# KiCad board pmic_panel.kicad_pcb (continued)
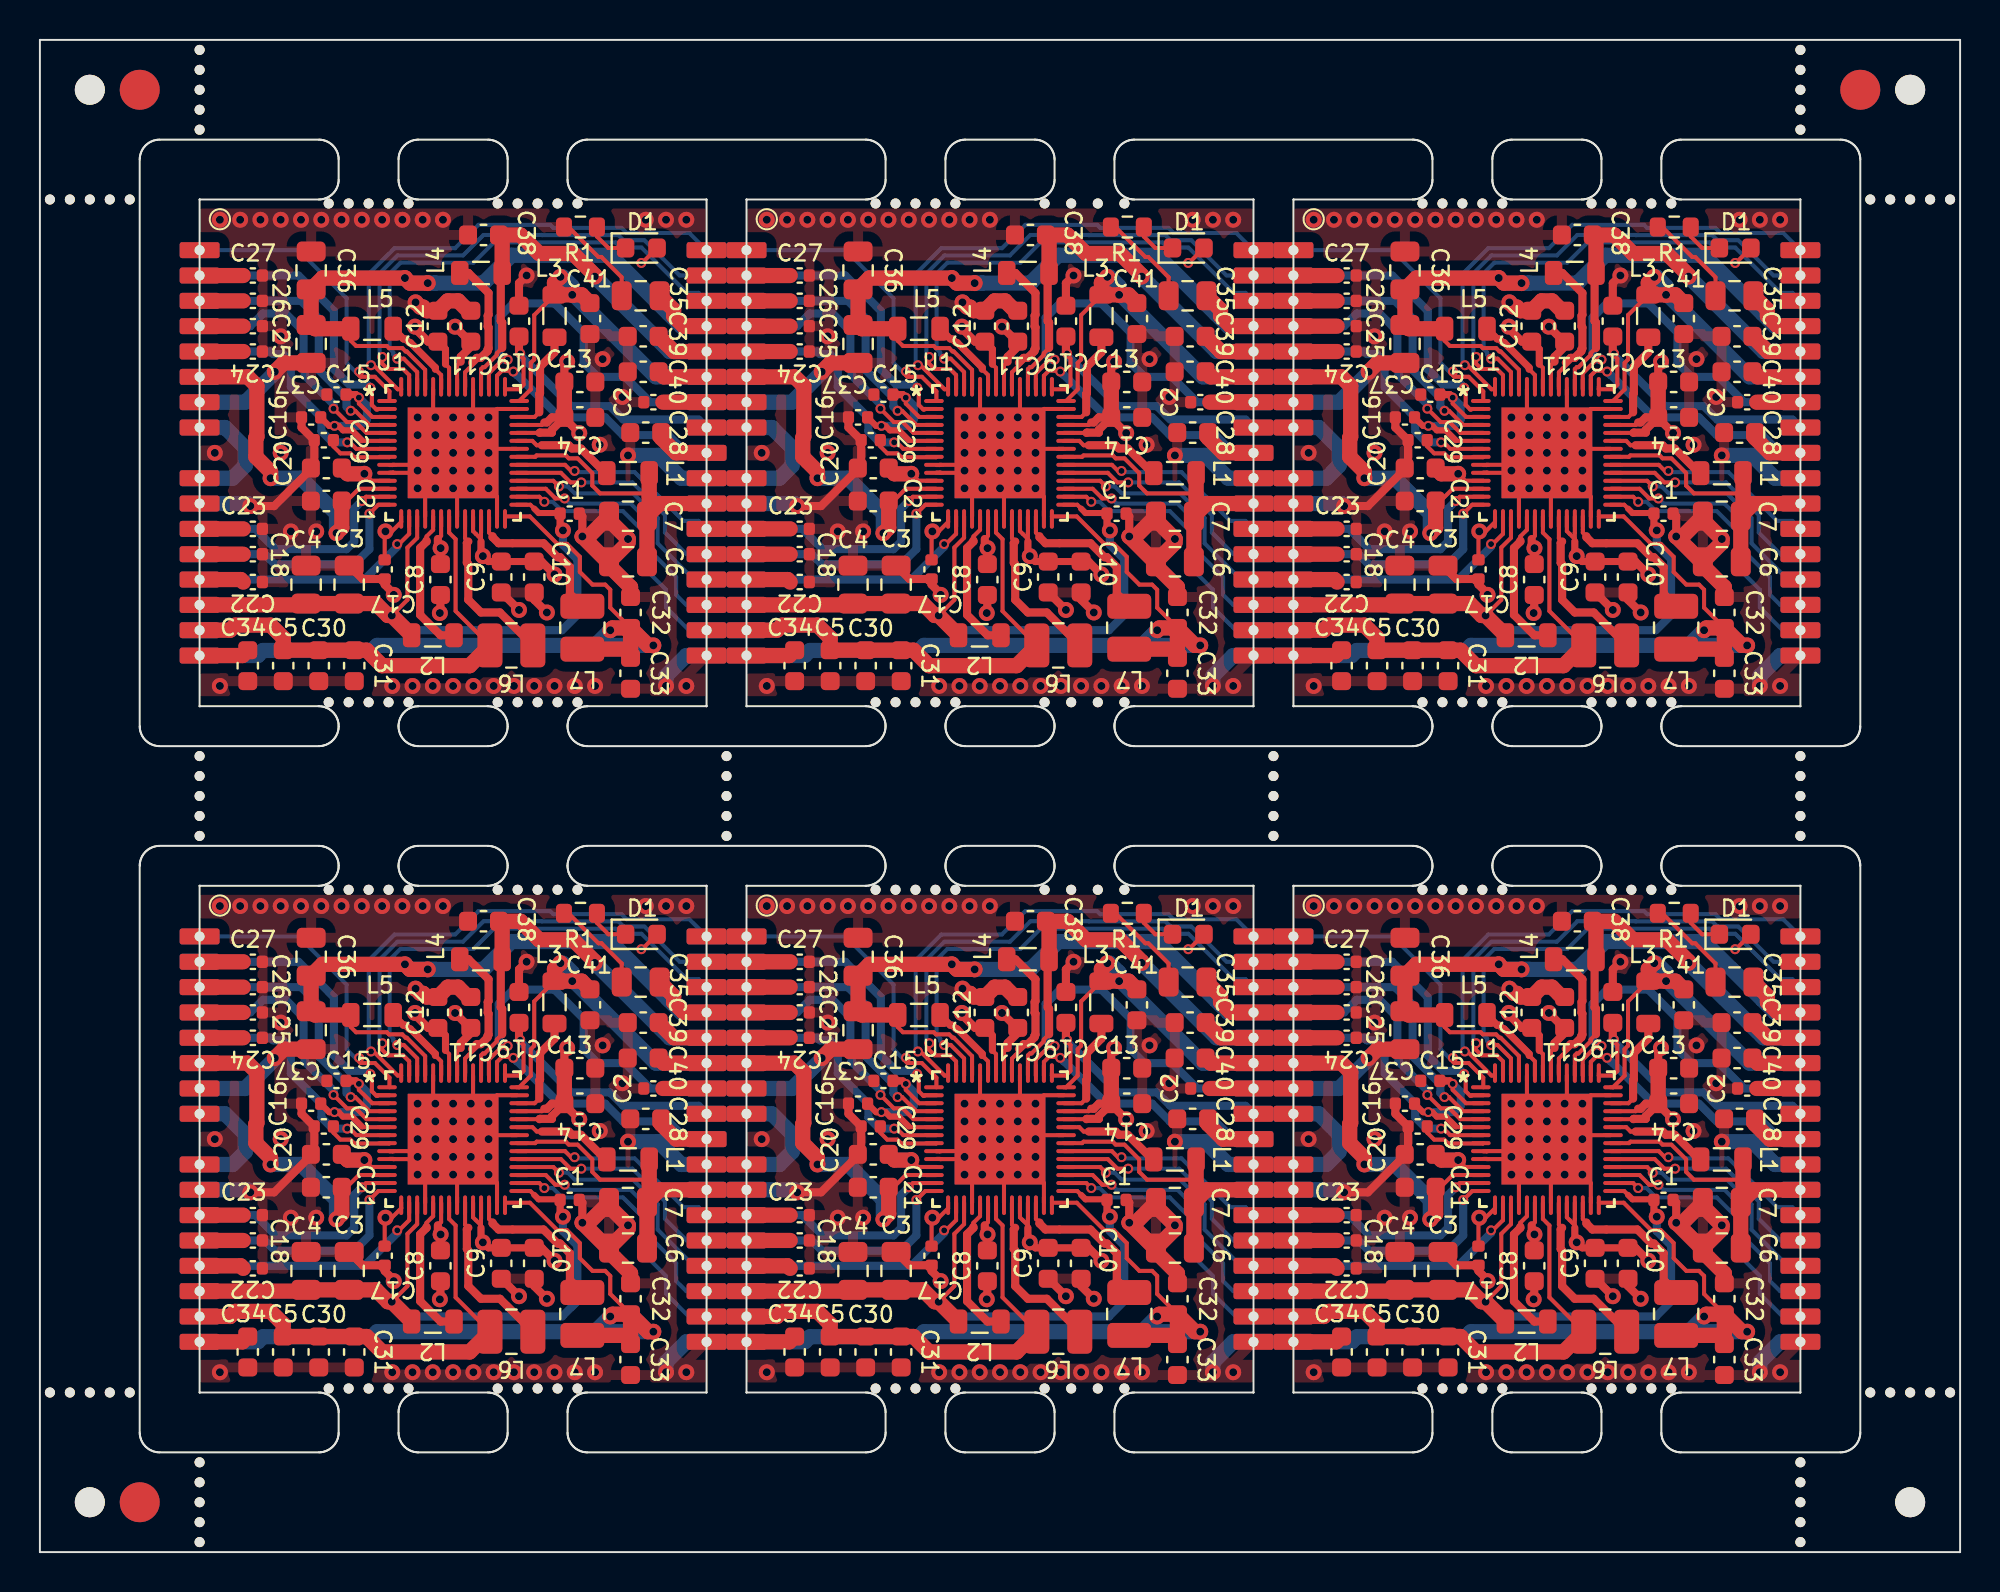
[diagram p0: board, top side]
## Routing (per net, layer and track width the routed paths; a pad name or vN(x,y) marks a point on that pad's centre or on a via; arc(x,y) is an arc through that point) (continued)
Board_0-VIN: length 57.7
  Top w0.203: 21.7,51.91 21.7,51.18 22.1,50.78 22.1,50.65 22.1,51.1 22.1,51.1 22.1,51.91 ; 20.9,58.29 20.9,59.49 21.08,59.67 ; v2(15.98,57.87) 15.98,57.57 16.65,56.9 17.51,56.9 ; 23.89,56.1 25.03,56.1 ; C17#3.1 17.27,51.12 v1(17.31,51.16) 17.63,51.16 18.1,51.63 18.1,51.91 ; 17.51,55.7 16.16,55.7 ; 25.27,56.62 25.15,56.5 23.89,56.5 ; 17.51,53.7 16.6,53.7 v1(16.25,54.05) ; 19.94,50.78 20.1,50.94 20.1,51.91 ; 20.5,58.29 20.5,59.36 20.32,59.54
  Top w0.305: v2(14.76,56.45) 14.96,56.45 14.96,56.45 ; 16.13,55.73 15.63,56.23 15.18,56.23 14.96,56.45 ; 14.96,56.45 14.5,56.45 C16#6.1
  Top w0.356: C12#6.1 20.32,60.29 20.32,59.54 ; C15#5.1 15.83,58.02 v2(15.98,57.87) ; 22.1,50.65 22.1,50.02 v1(22.19,49.92) 22.46,49.65 C9#2.1 C10#2.1
  Top w0.406: C14#2.1 25.65,56.26 25.65,56.12 25.05,56.12 25.03,56.1 ; C14#2.1 26.27,56.84 v1(27.02,56.09) ; C14#2.1 25.65,56.88 25.4,56.62 25.27,56.62 ; C12#6.1 19.45,60.67 18.79,61.33 v1(18.79,61.43) ; 21.84,60.67 21.08,59.91 21.08,59.67 ; 19.94,50.78 19.94,50.46 v1(20.08,50.32) 20.06,50.31 C8#2.1 ; C10#2.1 25.13,49.65 v1(25.78,49) ; v1(20.8,61.42) 21.55,60.67 C11#2.1 ; C13.1 26.27,59.53 v1(26.41,59.67)
  Top w0.762: C20#5.1 15.41,54.05 v1(16.25,54.05) ; C14#2.1 C13.1
  In1.Cu w0.762: U2#2.8 10.79,56.37 11.31,55.85 ; 11.31,55.85 11.11,55.85 10.28,55.02 10.28,54.52 9.59,53.83 U2#2.9 ; 11.31,55.85 v1(12.06,55.1)
  Bottom w0.406: v2(15.98,57.87) 16.38,57.47 16.38,56.78 16.06,56.45 v2(14.76,56.45)
  Bottom w0.762: U2#2.9 9.65,53.83 10.29,54.46 10.29,55.35 9.27,56.37 U2#2.8
Board_0-VOUT1: length 21.2
  Top w0.203: L3.2 24.76,62 24.76,59.78 24.59,59.61 24.59,58.28 U1#6.42 23.89,57.7
  Top w0.762: v1(26.08,63.92) 25.78,63.62 L3.2 27.14,63.02 C41#2.1 ; C40#5.1 31.25,58.91 U2#2.28
  Bottom w0.762: 26.75,63.02 30.86,58.91 U2#2.28 ; v1(26.67,63.02) 26.67,63.45 26.2,63.92 v1(26.08,63.92)
Board_0-VOUT2: length 42.6
  Top w0.203: C32.1 28.57,47.34 28.57,48.24 28.32,48.5 27.69,48.5 27.05,49.13 27.05,49.89 26.4,50.54 25.92,50.54 24.55,51.91 23.3,51.91
  Top w0.762: v1(30.73,45.45) 30.47,45.45 C32.1 ; C32.1 29.59,45.32 ; C32.1 28.69,46.32 v1(28.57,46.21) ; 29.59,45.32 C33#5.1 ; 29.59,45.32 29.53,45.26 L7.1 ; C34.1 10.15,44.94 U2#2.16
  Bottom w0.762: 27.81,45.45 v1(28.57,46.21) ; 27.81,45.45 v1(30.73,45.45) ; 27.81,45.45 16.89,45.45 16.64,45.19 11.17,45.19 10.92,44.94 U2#2.16
Board_0-VOUT3: length 23.6
  Top w0.203: L6#5.1 20.83,47.17 20.83,50.77 20.5,51.1 20.5,51.91
  Top w0.762: U2#2.15 9.52,46.21 9.78,46.46 11.56,46.46 12.19,45.83 C5.1 C30#2.1 C31#3.1 16.37,45.21 17.14,44.43 21.53,44.43 L6#5.1
Board_0-VOUT4: length 52.2
  Top w0.203: 24.76,52.31 24.57,52.5 23.89,52.5 ; D1.2 30.17,64.62 v2(30.13,64.62) ; v1(17.63,46.95) 18.41,47.73 18.41,50.35 18.9,50.84 18.9,51.91
  Top w0.305: C1#5.1 26.03,52.08 24.99,52.08 24.76,52.31
  Top w0.356: v1(26.2,51.21) 26.06,51.35 C1#5.1
  Top w0.762: L2.1 v1(17.63,46.95) 17.43,46.95 16.83,47.55 C3#5.1 C4.1 13.27,47.48 U2#2.14
  In1.Cu w0.203: v2(30.13,64.62) 30.13,64.12 30.73,63.52 30.73,53.87 28.98,52.12 27.13,52.12 26.22,51.21 v1(26.2,51.21)
  Bottom w0.406: v1(26.2,51.21) 26.2,50.49 26.92,49.77 26.92,46.97 26.16,46.21 18.37,46.21 v1(17.63,46.95)
Board_0-VOUT5: length 15.6
  Top w0.203: 30.53,52.94 30.4,53.07 28.07,53.07 27.67,53.46 27.67,54.09 26.94,54.82 26.5,54.82 26.35,54.97 24.89,54.97 24.81,54.9 23.89,54.9
  Top w0.762: C7#6.1 31.05,52.56 U2#2.23 ; C7#6.1 30.53,52.04 L1.2 ; C7#6.1 C6#3.1
Board_0-VOUT6: length 23.9
  Top w0.203: 22.1,58.29 22.1,59.3 22.2,59.4 22.28,59.4 22.89,60.01 22.89,60.09 23.16,60.36
  Top w0.406: 23.16,60.36 23.16,61.63 23.09,61.7 23.09,64.05 L4#5.2
  Top w0.762: C39#6.1 31.76,60.18 U2#2.29 ; v1(27.8,63.94) 27.8,64.01 26.71,65.1 25.01,65.1 24.08,66.02 C38.1 23.16,65.86 L4#5.2
  Bottom w0.762: U2#2.29 31.55,60.18 v1(27.8,63.94)
Board_0-VOUT7: length 36.8
  Top w0.203: 19.3,58.29 19.3,59.26 18.38,60.18 18.32,60.18 18.16,60.35 17.49,60.35 17.38,60.46 15.84,60.46 15.57,60.72 L5#3.2
  Top w0.762: v1(19.43,63.61) 18.54,63.61 v1(18.29,63.86) 14.16,63.86 C36#3.1 C37#3.1 13.78,61.32 L5#3.2 ; C35#4.1 31.75,62.27 31.75,61.96 32.26,61.45 U2#2.30
  Bottom w0.762: 19.81,63.61 18.54,63.61 v1(18.29,63.86) ; 19.81,63.61 22.22,63.61 23.62,65.01 28.57,65.01 32.13,61.45 U2#2.30 ; 19.81,63.61 v1(19.43,63.61)
Board_0-VREFDDR: length 20.3
  Top w0.203: v2(23.43,59.77) 23.18,59.77 22.49,59.08 22.49,58.29
  Top w0.762: U2#2.27 C2.1
  Bottom w0.406: U2#2.27 30.58,57.64 29.31,58.91 27.94,58.91 27.24,59.61 27.24,61.13 25.78,62.59 23.7,62.59 22.99,61.87 22.99,60.05 23.27,59.77 v2(23.43,59.77)
Board_0-WAKEUPN: length 13.8
  Top w0.203: 23.89,52.9 25.02,52.9 v2(25.27,52.65)
  Bottom w0.203: U2#2.18 32.51,46.21 31.37,47.35 31.37,48.24 30.22,49.38 30.22,51.16 29.21,52.18 26.16,52.18 25.69,52.65 v2(25.27,52.65)
Board_1-GND: length 63.2
  Top w0.203: 44.91,54.49 45.08,54.49 45.09,54.5 46.03,54.5 v1(46.32,54.21) 46.21,54.1 45.1,54.1 45.09,54.11 44.91,54.11 ; 49.1,58.29 49.1,56.99 v1(48.99,56.88) ; v1(49.88,55.1) 50.08,55.3 51.29,55.3 ; 51.29,57.3 50.3,57.3 v1(49.88,56.88) ; v1(46.32,53.32) 46.7,52.94 46.7,51.91 ; 47.1,58.29 47.1,56.99 v1(47.21,56.88) ; R1.2 53.88,66.42 55.38,64.92 55.53,64.92 56.55,63.9 C35#2.2 ; v1(49.88,53.32) 50.3,52.9 50.3,51.91 ; v1(48.1,53.32) 48.3,53.12 48.3,51.91
  Top w0.406: C1#3.2 54.45,52.05 54.58,51.92 v1(54.58,50.91) ; C9#5.2 50.53,48.1 v1(51.4,47.23) ; v1(37.94,52.43) 39.13,52.43 40.97,54.27 C20#4.2 41.14,54.51 C29#4.2 40.51,56.37 C16#3.2 ; v1(52.8,47.1) 52.16,47.73 C10#3.2 ; v1(45.13,47.98) 45.13,48.04 44.67,48.5 C17.2 43.56,48.78 C3#4.2 ; C8#6.2 47.47,47.1 v1(47.44,47.07) ; C19.2 51.4,63.61 v1(51.78,63.99)
  Top w0.762: 55.91,49.64 55.91,49.45 56.99,48.37 C32#3.2 ; 55.91,49.64 56.86,50.59 v1(56.86,50.78) 55.91,51.73 55.91,51.92 54.9,50.91 v1(54.58,50.91) 55.85,49.64 55.91,49.64 ; v1(46.22,62.64) 46.46,62.41 46.6,62.41 46.78,62.22 C12#5.2 47.83,62.72 48.35,62.72 48.85,62.22 C11#5.2 ; v1(39.17,59.16) 39.62,59.61 C37#5.2
  Bottom w0.762: U2#5.7 37.69,57.64 39.17,59.12 v1(39.17,59.16) ; v1(56.86,54.97) 58.39,54.97 59.53,53.83 U2#5.24 ; U2#5.10 37.81,52.56 v1(37.94,52.43) ; U2#5.17 59.78,44.94 58.77,43.92 v1(58.77,43.42)
  vias: v1(36.16,55.1) v1(36.42,66.78) v1(36.42,43.42) v1(37.43,66.78) v1(38.45,66.78) v1(39.46,66.78) v1(39.46,60.94) v1(39.97,51.16) v1(40.48,66.78) v1(41.24,51.16) v1(41.5,66.78) v1(42.51,66.78) v1(43.53,66.78) v1(44.54,66.78) v1(45.05,43.42) v1(45.56,66.78) v1(46.07,43.42) v1(46.32,56.88) v1(46.32,55.99) v1(46.32,55.1) v1(46.58,66.78) v1(47.08,43.42) v1(47.21,55.99) v1(47.21,55.1) v1(47.21,54.21) v1(47.21,53.32) v1(47.59,66.78) v1(48.1,56.88) v1(48.1,55.99) v1(48.1,55.1) v1(48.1,54.21) v1(48.1,43.42) v1(48.99,55.99) v1(48.99,55.1) v1(48.99,54.21) v1(48.99,53.32) v1(49.12,43.42) v1(49.88,55.99) v1(49.88,54.21) v1(50.13,43.42) v1(51.15,43.42) v1(52.16,43.42) v1(53.18,43.42) v1(54.2,43.42) v1(55.21,43.42) v1(55.45,55.51) v1(55.59,59.8) v1(56.58,57.9) v1(57.75,66.78) v1(58.77,66.78) v1(59.78,66.78) v1(59.78,43.42)
Board_1-INTLDO: length 3.3
  Top w0.203: C29#4.1 42.1,55.43 42.45,55.08 42.96,55.08 43.15,54.88 44.9,54.88 44.91,54.89
Board_1-INTN: length 12.3
  Top w0.203: v2(53.4,53.42) 53.12,53.7 51.29,53.7
  Bottom w0.203: v2(53.4,53.42) 53.85,53.42 54.2,53.07 57.12,53.07 58.35,51.83 58.35,50.56 60.16,48.75 U2#5.20
Board_1-LDO1OUT: length 14.2
  Top w0.203: 44.91,52.5 44.36,52.5 v2(43.91,52.05)
  Top w0.762: U2#5.12 C18#5.1
  Bottom w0.406: v2(43.91,52.05) 43.91,50.27 43.15,49.51 39.17,49.51 38.66,50.02 U2#5.12
Board_1-LDO2OUT: length 14.6
  Top w0.203: 45.9,51.91 45.9,51.04 45.39,50.53 v2(45.3,50.53)
  Top w0.762: U2#5.13 37.46,48.75 C22.1
  Bottom w0.406: v2(45.3,50.53) 45.3,50.4 43.66,48.75 U2#5.13
Board_1-LDO3IN: length 14.6
  Top w0.203: v2(51.46,60.08) 51.46,59.99 51.63,59.83 51.63,58.52 51.4,58.29 50.7,58.29 U1#2.43
  Top w0.406: v2(51.46,60.08) 51.4,60.14 51.4,60.93
  Bottom w0.406: U2#5.26 60.4,56.77 56.63,56.77 55.95,57.44 54.01,57.44 51.46,59.99 v2(51.46,60.08)
Board_1-LDO3OUT: length 15.8
  Top w0.203: v2(51.12,59.18) 51.07,59.22 50.55,59.22 50.3,58.97 50.3,58.29
  Top w0.762: U2#5.25 59.28,55.1 58.53,55.85 C28#4.1
  Bottom w0.406: v2(51.12,59.18) 51.29,59 51.31,59 53.43,56.88 55.72,56.88 56.61,55.99 58.89,55.99 59.78,55.1 U2#5.25
Board_1-LDO4OUT: length 14.2
  Top w0.203: 44.91,52.9 43.74,52.9 v2(43.53,52.69)
  Top w0.762: U2#5.11 C23#3.1
  Bottom w0.406: v2(43.53,52.69) 43.15,52.31 43.15,50.65 42.77,50.27 39.21,50.27 38.19,51.29 U2#5.11
Board_1-LDO5OUT: length 14.9
  Top w0.203: v2(42.8,55.63) 42.93,55.63 43.25,55.3 44.91,55.3
  Top w0.762: U2#5.5 C24#4.1
  Bottom w0.406: v2(42.8,55.63) 42.06,55.63 41.5,56.18 41.5,56.87 39.97,58.4 39.97,59.67 39.59,60.05 39.08,60.05 38.96,60.18 U2#5.5
Board_1-LDO6OUT: length 15.8
  Top w0.203: 44.91,56.1 43.76,56.1 43.22,56.64 42.78,56.64 v2(42.11,57.32)
  Top w0.762: U2#5.4 C25#3.1
  Bottom w0.406: U2#5.4 37.94,61.45 38.57,62.08 39.72,62.08 40.61,61.2 40.61,59.58 40.67,59.53 40.67,58.98 42.11,57.53 v2(42.11,57.32)
Board_1-LDO7OUT: length 16
  Top w0.203: 44.91,56.5 43.9,56.5 43.2,57.21 v2(42.97,57.21)
  Top w0.762: U2#5.3 C26#6.1
  Bottom w0.406: U2#5.3 40.48,62.72 41.37,61.83 41.37,59.25 42.76,57.86 42.76,57.42 v2(42.97,57.21)
Board_1-LDO8OUT: length 16.7
  Top w0.203: 44.91,57.3 44.34,57.3 44.31,57.28 44.26,57.28 44.03,57.5 44.03,58.29 v2(43.95,58.36)
  Top w0.762: U2#5.2 C27#6.1
  Bottom w0.406: v2(43.95,58.36) 43.79,58.52 42.9,58.52 42.13,59.29 42.13,62.21 40.35,63.99 U2#5.2
Board_1-Net-(D1-K): length 2.2
  Top w0.203: R1.1 55.31,65.94 55.88,65.37 D1#6.1
Board_1-Net-(U1-VLX1): length 5.3
  Top w0.203: 52.42,57.13 52.19,56.9 51.29,56.9
  Top w0.406: 52.42,57.13 52.42,58.05 52.46,58.09 52.46,59.42 53.18,60.14 L3#2.1
Board_1-Net-(U1-VLX2): length 7.8
  Top w0.203: 50.08,50.92 49.9,51.1 49.9,51.91
  Top w0.406: 50.08,50.92 50.08,50.87 50.38,50.57 52.63,50.57 53.33,49.87 53.46,49.87 53.95,49.38 53.95,48.04 L7#3.2
Board_1-Net-(U1-VLX3): length 8.5
  Top w0.203: 48.86,50.65 48.7,50.82 48.7,51.91
  Top w0.406: L6#2.2 50.44,47.1 49.5,47.1 48.86,47.73 48.86,49.52 48.79,49.59 48.79,50.58 48.86,50.65
Board_1-Net-(U1-VLX4): length 7.3
  Top w0.203: 46.77,50.71 46.77,50.91 47.1,51.24 47.1,51.91
  Top w0.406: L2#6.2 47.47,45.96 46.45,46.98 46.45,50.33 46.77,50.65 46.77,50.71
Board_1-Net-(U1-VLX5): length 5.2
  Top w0.203: 52.54,55.48 52.29,55.48 52.07,55.7 51.29,55.7
  Top w0.406: L1#5.1 55.73,54.08 54.5,55.32 54.06,55.32 53.9,55.48 52.54,55.48
Board_1-Net-(U1-VLX6): length 7.8
  Top w0.203: U1#2.48 48.7,59.14 49.03,59.47 49.03,59.62 ; 48.7,58.29 48.7,58.88
  Top w0.406: 49.05,59.62 49.29,59.86 49.49,59.86 49.83,60.2 49.83,60.29 49.88,60.33 49.88,61.39 49.83,61.43 49.83,61.97 49.88,62.02 49.88,63.11 48.87,64.12 L4#6.1
Board_1-Net-(U1-VLX7): length 4.1
  Top w0.203: 47.21,59.29 47.5,59 47.5,58.29
  Top w0.356: L5#5.1 45.61,60.81 45.72,60.81 45.9,60.62 45.96,60.62 47.21,59.37 47.21,59.29
Board_1-PONKEYN: length 15
  Top w0.203: v2(43.39,59.18) 43.39,58.98 43.46,58.91 44.18,58.91 44.91,58.18 44.91,57.7
  Bottom w0.203: v2(43.39,59.18) 43.34,59.13 43.25,59.13 42.77,59.61 42.77,62.85 40.35,65.26 U2#5.1
Board_1-PWRCTRL1: length 25.1
  Top w0.203: 45.5,58.29 45.32,58.29 44.14,59.46 44.02,59.46 v2(43.99,59.49)
  Bottom w0.203: v2(43.99,59.49) 43.91,59.49 43.88,59.53 43.88,64.07 45.16,65.36 48.2,65.36 49.37,66.53 52.97,66.53 53.12,66.38 56.54,66.38 56.8,66.12 59.94,66.12 U2#5.33
Board_1-PWRCTRL2: length 25.1
  Top w0.203: v2(44.55,59.91) 44.53,59.91 44.45,59.82 44.54,59.72 44.54,59.58 44.82,59.3 45.6,59.3 45.9,59 45.9,58.29
  Bottom w0.203: v2(44.55,59.91) 44.43,59.91 44.42,59.92 44.42,64.1 45.31,65 48.6,65 49.62,66.02 52.54,66.02 52.56,66.01 56.39,66.01 56.64,65.76 57.69,65.76 59.45,63.99 U2#5.32
Board_1-PWRCTRL3: length 24.3
  Top w0.203: 46.3,58.29 46.3,59.15 45.63,59.82 v2(45.31,59.82)
  Bottom w0.203: U2#5.31 60.4,63.12 59.81,63.12 57.54,65.39 56.49,65.39 56.24,65.65 50.14,65.65 49.12,64.63 45.46,64.63 44.92,64.09 44.92,60.32 45.11,60.13 45.11,60.02 v2(45.31,59.82)
Board_1-RSTN: length 13.3
  Top w0.203: 51.29,53.3 52.74,53.3 53.23,52.81 v2(53.69,52.81)
  Bottom w0.203: U2#5.19 59.78,47.48 59.28,47.99 59.28,48.88 57.99,50.16 57.99,51.56 56.99,52.56 53.94,52.56 v2(53.69,52.81)
Board_1-SCL: length 11.7
  Top w0.203: v2(54.52,53.62) 53.98,53.62 53.5,54.1 51.29,54.1
  Bottom w0.203: v2(54.52,53.62) 57.08,53.62 58.71,51.98 58.71,51.11 59.8,50.02 U2#5.21
Board_1-SDA: length 10.8
  Top w0.203: 51.29,54.5 53.71,54.5 54.01,54.19 v2(54.19,54.19)
  Bottom w0.203: v2(54.19,54.19) 54.25,54.14 57.19,54.14 59.64,51.69 60.4,51.69 U2#5.22
Board_1-VBUS: length 17.4
  Top w0.203: 44.91,53.3 43.38,53.3 42.77,52.69 C21#6.1
  Top w0.762: U2#5.6 37.81,58.91 38.27,58.45 38.27,55.91 38.22,55.86 38.22,54.9 38.96,54.16 v1(38.96,53.83) ; C21#6.1 42.53,51.34 v1(42.26,51.08)
  Bottom w0.762: v1(42.26,51.08) 42.26,52.05 40.48,53.83 v1(38.96,53.83)
Board_1-VIN: length 57.7
  Top w0.203: 48.48,59.67 48.3,59.49 48.3,58.29 ; 52.67,56.62 52.55,56.5 51.29,56.5 ; 47.72,59.54 47.9,59.36 47.9,58.29 ; 44.91,55.7 43.56,55.7 ; 44.91,56.9 44.05,56.9 43.38,57.57 v2(43.38,57.87) ; C17.1 44.67,51.12 v1(44.71,51.16) 45.03,51.16 45.5,51.63 45.5,51.91 ; 44.91,53.7 44,53.7 v1(43.66,54.05) ; 51.29,56.1 52.43,56.1 ; 49.5,51.91 49.5,51.1 49.5,51.1 49.5,50.65 49.5,50.78 49.1,51.18 49.1,51.91 ; 47.34,50.78 47.5,50.94 47.5,51.91
  Top w0.305: 42.36,56.45 42.58,56.23 43.03,56.23 43.53,55.73 ; 42.36,56.45 41.9,56.45 C16#3.1 ; 42.36,56.45 42.36,56.45 v2(42.16,56.45)
  Top w0.356: 49.5,50.65 49.5,50.02 v1(49.59,49.92) 49.86,49.65 C9#5.1 C10#3.1 ; C15#4.1 43.23,58.02 v2(43.38,57.87) ; C12#5.1 47.72,60.29 47.72,59.54
  Top w0.406: v1(48.2,61.42) 48.95,60.67 C11#5.1 ; C14#4.1 53.05,56.88 52.8,56.62 52.67,56.62 ; C14#4.1 53.05,56.26 53.05,56.12 52.45,56.12 52.43,56.1 ; C14#4.1 53.67,56.84 v1(54.42,56.09) ; 48.48,59.67 48.48,59.91 49.24,60.67 ; C8#6.1 47.47,50.31 v1(47.48,50.32) 47.34,50.46 47.34,50.78 ; C10#3.1 52.53,49.65 v1(53.18,49) ; C13#4.1 53.67,59.53 v1(53.81,59.67) ; v1(46.19,61.43) 46.19,61.33 46.85,60.67 C12#5.1
  Top w0.762: v1(43.66,54.05) 42.81,54.05 C20#4.1 ; C14#4.1 C13#4.1
  In1.Cu w0.762: 38.71,55.85 v1(39.46,55.1) ; 38.71,55.85 38.19,56.37 U2#5.8 ; 38.71,55.85 38.51,55.85 37.68,55.02 37.68,54.52 36.99,53.83 U2#5.9
  Bottom w0.406: v2(43.38,57.87) 43.78,57.47 43.78,56.78 43.46,56.45 v2(42.16,56.45)
  Bottom w0.762: U2#5.8 36.67,56.37 37.69,55.35 37.69,54.46 37.05,53.83 U2#5.9
Board_1-VOUT1: length 21.2
  Top w0.203: L3#2.2 52.16,62 52.16,59.78 51.99,59.61 51.99,58.28 U1#2.42 51.29,57.7
  Top w0.762: U2#5.28 58.65,58.91 C40#6.1 ; C41#3.1 54.54,63.02 L3#2.2 53.18,63.62 v1(53.48,63.92)
  Bottom w0.762: v1(53.48,63.92) 53.6,63.92 54.07,63.45 v1(54.07,63.02) ; U2#5.28 58.26,58.91 54.15,63.02
Board_1-VOUT2: length 42.6
  Top w0.203: C32#3.1 55.97,47.34 55.97,48.24 55.72,48.5 55.09,48.5 54.45,49.13 54.45,49.89 53.8,50.54 53.32,50.54 51.95,51.91 50.7,51.91
  Top w0.762: 56.99,45.32 C33#6.1 ; 56.99,45.32 C32#3.1 ; 56.99,45.32 56.93,45.26 L7#3.1 ; v1(55.97,46.21) 56.09,46.32 C32#3.1 ; C32#3.1 57.87,45.45 v1(58.13,45.45) ; C34#6.1 37.55,44.94 U2#5.16
  Bottom w0.762: 55.21,45.45 v1(55.97,46.21) ; 55.21,45.45 v1(58.13,45.45) ; 55.21,45.45 44.29,45.45 44.04,45.19 38.57,45.19 38.32,44.94 U2#5.16
Board_1-VOUT3: length 23.6
  Top w0.203: 47.9,51.91 47.9,51.1 48.23,50.77 48.23,47.17 L6#2.1
  Top w0.762: L6#2.1 48.93,44.43 44.54,44.43 43.77,45.21 C31#2.1 C30#3.1 C5#2.1 39.59,45.83 38.96,46.46 37.18,46.46 36.92,46.21 U2#5.15
Board_1-VOUT4: length 52.2
  Top w0.203: 52.16,52.31 51.97,52.5 51.29,52.5 ; v1(45.03,46.95) 45.81,47.73 45.81,50.35 46.3,50.84 46.3,51.91 ; v2(57.53,64.62) 57.57,64.62 D1#6.2
  Top w0.305: C1#3.1 53.43,52.08 52.39,52.08 52.16,52.31
  Top w0.356: C1#3.1 53.46,51.35 v1(53.6,51.21)
  Top w0.762: U2#5.14 40.67,47.48 C4#2.1 C3#4.1 44.23,47.55 44.83,46.95 v1(45.03,46.95) L2#6.1
  In1.Cu w0.203: v2(57.53,64.62) 57.53,64.12 58.13,63.52 58.13,53.87 56.38,52.12 54.53,52.12 53.62,51.21 v1(53.6,51.21)
  Bottom w0.406: v1(53.6,51.21) 53.6,50.49 54.32,49.77 54.32,46.97 53.56,46.21 45.77,46.21 v1(45.03,46.95)
Board_1-VOUT5: length 15.6
  Top w0.203: 57.93,52.94 57.8,53.07 55.47,53.07 55.07,53.46 55.07,54.09 54.34,54.82 53.9,54.82 53.75,54.97 52.29,54.97 52.21,54.9 51.29,54.9
  Top w0.762: L1#5.2 57.93,52.04 C7#2.1 ; U2#5.23 58.45,52.56 C7#2.1 ; C7#2.1 C6#6.1
Board_1-VOUT6: length 23.9
  Top w0.203: 49.5,58.29 49.5,59.3 49.6,59.4 49.68,59.4 50.29,60.01 50.29,60.09 50.56,60.36
  Top w0.406: 50.56,60.36 50.56,61.63 50.49,61.7 50.49,64.05 L4#6.2
  Top w0.762: L4#6.2 50.56,65.86 C38#4.1 51.48,66.02 52.41,65.1 54.11,65.1 55.2,64.01 v1(55.2,63.94) ; C39#2.1 59.16,60.18 U2#5.29
  Bottom w0.762: U2#5.29 58.95,60.18 v1(55.2,63.94)
Board_1-VOUT7: length 36.8
  Top w0.203: L5#5.2 42.97,60.72 43.24,60.46 44.78,60.46 44.89,60.35 45.56,60.35 45.72,60.18 45.78,60.18 46.7,59.26 46.7,58.29
  Top w0.762: C35#2.1 59.15,62.27 59.15,61.96 59.66,61.45 U2#5.30 ; L5#5.2 41.18,61.32 C37#5.1 C36#6.1 41.56,63.86 v1(45.69,63.86) 45.94,63.61 v1(46.83,63.61)
  Bottom w0.762: U2#5.30 59.53,61.45 55.97,65.01 51.02,65.01 49.62,63.61 47.21,63.61 ; v1(45.69,63.86) 45.94,63.61 47.21,63.61 ; 47.21,63.61 v1(46.83,63.61)
Board_1-VREFDDR: length 20.3
  Top w0.203: v2(50.83,59.77) 50.58,59.77 49.89,59.08 49.89,58.29
  Top w0.762: U2#5.27 C2#5.1
  Bottom w0.406: U2#5.27 57.98,57.64 56.71,58.91 55.34,58.91 54.64,59.61 54.64,61.13 53.18,62.59 51.1,62.59 50.39,61.87 50.39,60.05 50.67,59.77 v2(50.83,59.77)
Board_1-WAKEUPN: length 13.8
  Top w0.203: 51.29,52.9 52.42,52.9 v2(52.67,52.65)
  Bottom w0.203: v2(52.67,52.65) 53.09,52.65 53.56,52.18 56.61,52.18 57.62,51.16 57.62,49.38 58.77,48.24 58.77,47.35 59.91,46.21 U2#5.18
Board_2-GND: length 63.2
  Top w0.203: v1(76.39,56.88) 76.5,56.99 76.5,58.29 ; v1(75.5,53.32) 75.7,53.12 75.7,51.91 ; v1(77.28,53.32) 77.7,52.9 77.7,51.91 ; v1(74.61,56.88) 74.5,56.99 74.5,58.29 ; 74.1,51.91 74.1,52.94 v1(73.72,53.32) ; v1(77.28,55.1) 77.48,55.3 78.69,55.3 ; v1(77.28,56.88) 77.7,57.3 78.69,57.3 ; 72.31,54.49 72.48,54.49 72.49,54.5 73.43,54.5 v1(73.72,54.21) 73.61,54.1 72.5,54.1 72.49,54.11 72.31,54.11 ; C35#5.2 83.95,63.9 82.93,64.92 82.78,64.92 81.28,66.42 R1#2.2
  Top w0.406: v1(72.53,47.98) 72.53,48.04 72.07,48.5 C17#2.2 70.96,48.78 C3.2 ; C16#5.2 67.91,56.37 C29#5.2 68.54,54.51 C20#6.2 68.38,54.27 66.53,52.43 v1(65.34,52.43) ; C9.2 77.93,48.1 v1(78.8,47.23) ; C19#3.2 78.8,63.61 v1(79.18,63.99) ; v1(74.84,47.07) 74.86,47.1 C8.2 ; v1(81.98,50.91) 81.98,51.92 81.85,52.05 C1#6.2 ; v1(80.2,47.1) 79.56,47.73 C10#4.2
  Top w0.762: C11.2 76.25,62.22 75.75,62.72 75.23,62.72 C12.2 74.18,62.22 74,62.41 73.86,62.41 v1(73.62,62.64) ; 83.31,49.64 83.31,49.45 84.39,48.37 C32#6.2 ; 83.31,49.64 84.26,50.59 v1(84.26,50.78) 83.31,51.73 83.31,51.92 82.3,50.91 v1(81.98,50.91) 83.25,49.64 83.31,49.64 ; C37.2 67.02,59.61 v1(66.57,59.16)
  Bottom w0.762: U2#3.24 86.93,53.83 85.79,54.97 v1(84.26,54.97) ; U2#3.10 65.21,52.56 v1(65.34,52.43) ; U2#3.17 87.18,44.94 86.17,43.92 v1(86.17,43.42) ; v1(66.57,59.16) 66.57,59.12 65.09,57.64 U2#3.7
  vias: v1(63.56,55.1) v1(63.82,66.78) v1(63.82,43.42) v1(64.83,66.78) v1(65.85,66.78) v1(66.86,66.78) v1(66.86,60.94) v1(67.37,51.16) v1(67.88,66.78) v1(68.64,51.16) v1(68.9,66.78) v1(69.91,66.78) v1(70.93,66.78) v1(71.94,66.78) v1(72.45,43.42) v1(72.96,66.78) v1(73.47,43.42) v1(73.72,56.88) v1(73.72,55.99) v1(73.72,55.1) v1(73.98,66.78) v1(74.48,43.42) v1(74.61,55.99) v1(74.61,55.1) v1(74.61,54.21) v1(74.61,53.32) v1(74.99,66.78) v1(75.5,56.88) v1(75.5,55.99) v1(75.5,55.1) v1(75.5,54.21) v1(75.5,43.42) v1(76.39,55.99) v1(76.39,55.1) v1(76.39,54.21) v1(76.39,53.32) v1(76.52,43.42) v1(77.28,55.99) v1(77.28,54.21) v1(77.53,43.42) v1(78.55,43.42) v1(79.56,43.42) v1(80.58,43.42) v1(81.6,43.42) v1(82.61,43.42) v1(82.85,55.51) v1(82.99,59.8) v1(83.98,57.9) v1(85.15,66.78) v1(86.17,66.78) v1(87.18,66.78) v1(87.18,43.42)
Board_2-INTLDO: length 3.3
  Top w0.203: C29#5.1 69.5,55.43 69.85,55.08 70.36,55.08 70.55,54.88 72.3,54.88 72.31,54.89
Board_2-INTN: length 12.3
  Top w0.203: v2(80.8,53.42) 80.52,53.7 78.69,53.7
  Bottom w0.203: U2#3.20 87.56,48.75 85.75,50.56 85.75,51.83 84.52,53.07 81.6,53.07 81.25,53.42 v2(80.8,53.42)
Board_2-LDO1OUT: length 14.2
  Top w0.203: 72.31,52.5 71.76,52.5 v2(71.31,52.05)
  Top w0.762: U2#3.12 C18#6.1
  Bottom w0.406: v2(71.31,52.05) 71.31,50.27 70.55,49.51 66.57,49.51 66.06,50.02 U2#3.12
Board_2-LDO2OUT: length 14.6
  Top w0.203: 73.3,51.91 73.3,51.04 72.79,50.53 v2(72.7,50.53)
  Top w0.762: U2#3.13 64.86,48.75 C22#5.1
  Bottom w0.406: v2(72.7,50.53) 72.7,50.4 71.06,48.75 U2#3.13
Board_2-LDO3IN: length 14.6
  Top w0.203: U1.43 78.1,58.29 78.8,58.29 79.03,58.52 79.03,59.83 78.86,59.99 v2(78.86,60.08)
  Top w0.406: v2(78.86,60.08) 78.8,60.14 78.8,60.93
  Bottom w0.406: U2#3.26 87.8,56.77 84.03,56.77 83.35,57.44 81.41,57.44 78.86,59.99 v2(78.86,60.08)
Board_2-LDO3OUT: length 15.8
  Top w0.203: v2(78.52,59.18) 78.47,59.22 77.95,59.22 77.7,58.97 77.7,58.29
  Top w0.762: C28#2.1 85.93,55.85 86.68,55.1 U2#3.25
  Bottom w0.406: v2(78.52,59.18) 78.69,59 78.71,59 80.83,56.88 83.12,56.88 84.01,55.99 86.29,55.99 87.18,55.1 U2#3.25
Board_2-LDO4OUT: length 14.2
  Top w0.203: v2(70.93,52.69) 71.14,52.9 72.31,52.9
  Top w0.762: U2#3.11 C23#2.1
  Bottom w0.406: U2#3.11 65.59,51.29 66.61,50.27 70.17,50.27 70.55,50.65 70.55,52.31 v2(70.93,52.69)
Board_2-LDO5OUT: length 14.9
  Top w0.203: v2(70.2,55.63) 70.33,55.63 70.65,55.3 72.31,55.3
  Top w0.762: U2#3.5 C24#2.1
  Bottom w0.406: v2(70.2,55.63) 69.46,55.63 68.9,56.18 68.9,56.87 67.37,58.4 67.37,59.67 66.99,60.05 66.48,60.05 66.36,60.18 U2#3.5
Board_2-LDO6OUT: length 15.8
  Top w0.203: v2(69.51,57.32) 70.18,56.64 70.62,56.64 71.16,56.1 72.31,56.1
  Top w0.762: U2#3.4 C25#6.1
  Bottom w0.406: U2#3.4 65.34,61.45 65.97,62.08 67.12,62.08 68.01,61.2 68.01,59.58 68.07,59.53 68.07,58.98 69.51,57.53 v2(69.51,57.32)
Board_2-LDO7OUT: length 16
  Top w0.203: v2(70.37,57.21) 70.6,57.21 71.3,56.5 72.31,56.5
  Top w0.762: U2#3.3 C26.1
  Bottom w0.406: U2#3.3 67.88,62.72 68.77,61.83 68.77,59.25 70.16,57.86 70.16,57.42 v2(70.37,57.21)
Board_2-LDO8OUT: length 16.7
  Top w0.203: 72.31,57.3 71.74,57.3 71.71,57.28 71.66,57.28 71.43,57.5 71.43,58.29 v2(71.35,58.36)
  Top w0.762: U2#3.2 C27#5.1
  Bottom w0.406: v2(71.35,58.36) 71.19,58.52 70.3,58.52 69.53,59.29 69.53,62.21 67.75,63.99 U2#3.2
Board_2-Net-(D1-K): length 2.2
  Top w0.203: R1#2.1 82.7,65.94 83.28,65.37 D1#4.1
Board_2-Net-(U1-VLX1): length 5.3
  Top w0.203: 79.82,57.13 79.59,56.9 78.69,56.9
  Top w0.406: L3#4.1 80.58,60.14 79.86,59.42 79.86,58.09 79.82,58.05 79.82,57.13
Board_2-Net-(U1-VLX2): length 7.8
  Top w0.203: 77.3,51.91 77.3,51.1 77.48,50.92
  Top w0.406: 77.48,50.92 77.48,50.87 77.78,50.57 80.03,50.57 80.73,49.87 80.86,49.87 81.35,49.38 81.35,48.04 L7#5.2
Board_2-Net-(U1-VLX3): length 8.5
  Top w0.203: 76.1,51.91 76.1,50.82 76.26,50.65
  Top w0.406: L6#3.2 77.84,47.1 76.9,47.1 76.26,47.73 76.26,49.52 76.19,49.59 76.19,50.58 76.26,50.65
Board_2-Net-(U1-VLX4): length 7.3
  Top w0.203: 74.17,50.71 74.17,50.91 74.5,51.24 74.5,51.91
  Top w0.406: L2#5.2 74.87,45.96 73.85,46.98 73.85,50.33 74.17,50.65 74.17,50.71
Board_2-Net-(U1-VLX5): length 5.2
  Top w0.203: 78.69,55.7 79.47,55.7 79.69,55.48 79.94,55.48
  Top w0.406: 79.94,55.48 81.3,55.48 81.46,55.32 81.9,55.32 83.13,54.08 L1#6.1
Board_2-Net-(U1-VLX6): length 7.8
  Top w0.203: 76.43,59.62 76.43,59.47 76.1,59.14 U1.48 ; 76.1,58.29 76.1,58.88
  Top w0.406: 76.45,59.62 76.69,59.86 76.89,59.86 77.23,60.2 77.23,60.29 77.28,60.33 77.28,61.39 77.23,61.43 77.23,61.97 77.28,62.02 77.28,63.11 76.27,64.12 L4.1
Board_2-Net-(U1-VLX7): length 4.1
  Top w0.203: 74.61,59.29 74.9,59 74.9,58.29
  Top w0.356: L5#2.1 73.01,60.81 73.12,60.81 73.3,60.62 73.36,60.62 74.61,59.37 74.61,59.29
Board_2-PONKEYN: length 15
  Top w0.203: 72.31,57.7 72.31,58.18 71.58,58.91 70.86,58.91 70.79,58.98 v2(70.79,59.18)
  Bottom w0.203: U2#3.1 67.75,65.26 70.17,62.85 70.17,59.61 70.65,59.13 70.74,59.13 v2(70.79,59.18)
Board_2-PWRCTRL1: length 25.1
  Top w0.203: 72.9,58.29 72.72,58.29 71.54,59.46 71.42,59.46 v2(71.39,59.49)
  Bottom w0.203: v2(71.39,59.49) 71.31,59.49 71.28,59.53 71.28,64.07 72.56,65.36 75.6,65.36 76.77,66.53 80.37,66.53 80.52,66.38 83.94,66.38 84.2,66.12 87.34,66.12 U2#3.33
Board_2-PWRCTRL2: length 25.1
  Top w0.203: v2(71.95,59.91) 71.93,59.91 71.85,59.82 71.94,59.72 71.94,59.58 72.22,59.3 73,59.3 73.3,59 73.3,58.29
  Bottom w0.203: U2#3.32 86.85,63.99 85.09,65.76 84.04,65.76 83.79,66.01 79.96,66.01 79.94,66.02 77.02,66.02 76,65 72.71,65 71.82,64.1 71.82,59.92 71.83,59.91 v2(71.95,59.91)
Board_2-PWRCTRL3: length 24.3
  Top w0.203: 73.7,58.29 73.7,59.15 73.03,59.82 v2(72.71,59.82)
  Bottom w0.203: v2(72.71,59.82) 72.51,60.02 72.51,60.13 72.32,60.32 72.32,64.09 72.86,64.63 76.52,64.63 77.54,65.65 83.64,65.65 83.89,65.39 84.94,65.39 87.21,63.12 87.8,63.12 U2#3.31
Board_2-RSTN: length 13.3
  Top w0.203: 78.69,53.3 80.14,53.3 80.63,52.81 v2(81.09,52.81)
  Bottom w0.203: U2#3.19 87.18,47.48 86.68,47.99 86.68,48.88 85.39,50.16 85.39,51.56 84.39,52.56 81.34,52.56 v2(81.09,52.81)